# Altium PCB RPlan_LB1.PcbDoc (continued)
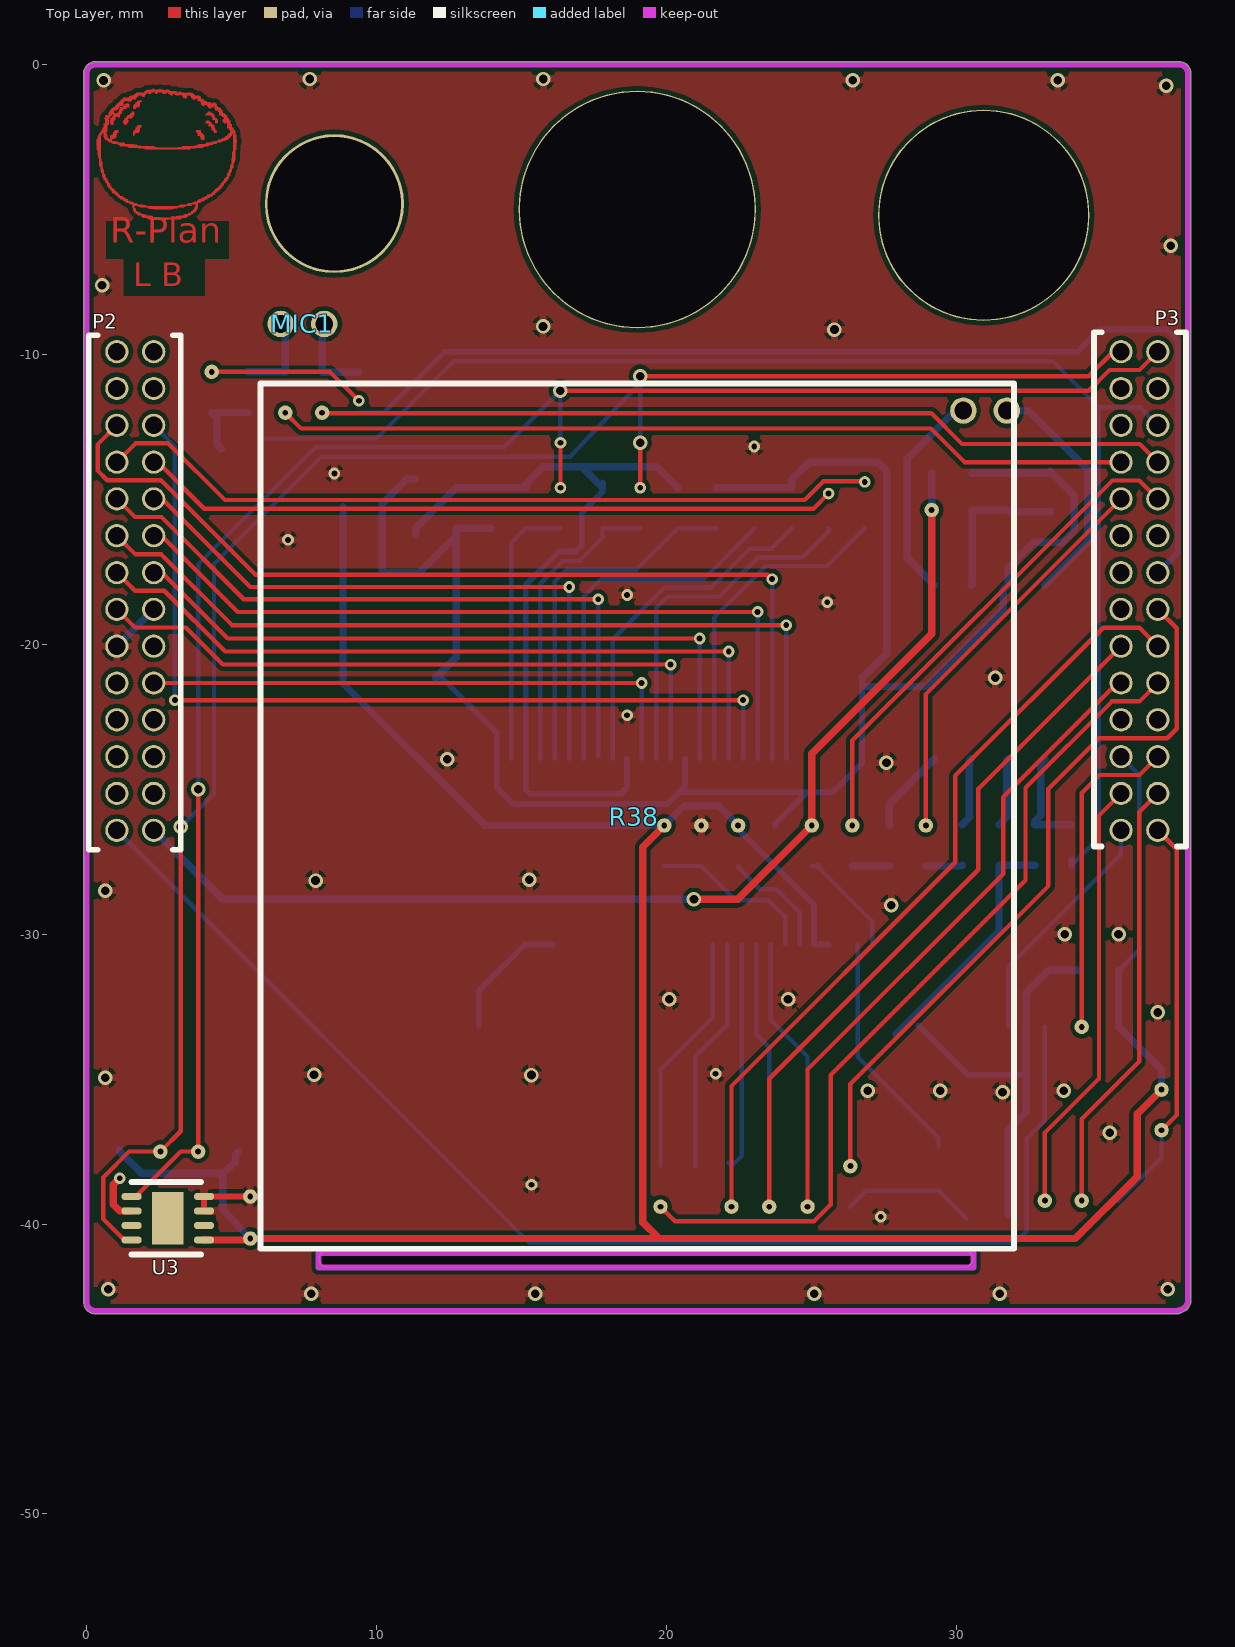
[diagram p0: Top Layer view]
## Nets (pads, with @x,y where several pads share a name; then routed paths per layer and width w, separated by ;. In a path a pad name is that pad's centre, name@x,y a point inside that pad or via, vN(x,y) a via of type N, cw(c..) or ccw(c..) an arc to the next point about the centre after c; other vN are vias at no path point) (continued)
  Top Layer w0.15: pad.73 22.25,-35.238 29.972,-27.516 29.972,-24.53 35.071,-19.431 36.322,-19.431 P3.11
P5: P3.9 pad.74 R17.1 | length 29.5
  Top Layer w0.15: pad.74 20.3,-39.9 25.1,-39.9 25.671,-39.329 25.671,-34.861 32.391,-28.141 32.391,-24.952 35.372,-21.971 36.322,-21.971 P3.9
P6: P3.13 pad.132 R23.2 | length 25.5
  Top Layer w0.15: pad.132 26.35,-35.167 33.182,-28.335 33.182,-24.984 34.925,-23.241 37.28,-23.241 37.609,-22.912 37.609,-19.448 P3.13
P7: P3.14
P10: P3.25
P11: P3.26
P12: P2.3
P13: P2.4
P14: P2.23
P15: P2.25
P16: P2.24
P17: P2.22
P18: P2.26
P19: P2.21
P20: P3.5 pad.65 U2.7 | length 11.2
  Top Layer w0.15: pad.65 34.332,-25.128 34.949,-24.511 36.322,-24.511 P3.5
P21: P3.4 pad.69 U2.3 | length 15.1
  Top Layer w0.15: pad.69 33.062,-36.846 34.925,-34.982 34.925,-25.908 P3.4
P22: P3.3 pad.68 U2.2 | length 15.1
  Top Layer w0.15: pad.68 34.332,-36.38 36.319,-34.392 36.319,-25.784 P3.3
P23: P3.2 U2.5 | length 8.4
  Bottom Layer w0.15: U2.5 31.792,-31.142 35.687,-27.247 P3.2
P24: P2.27 U2.6 | length 44.8
  Bottom Layer w0.15: P2.27 15.281,-40.65 32.026,-40.65 32.434,-40.243 32.434,-37.046 33.062,-36.418 33.062,-35.542 33.059,-35.539 33.059,-33.201 U2.6
P25: P2.2
P26: P3.1 pad.70 R2.2 U2.1 | length 13.9
  Top Layer w0.15: P3.1 37.609,-27.068 37.609,-36.236 pad.70
  Bottom Layer w0.15: U2.1 37.084,-37.71 pad.70
P27: P2.8 pad.126 R21.1 | length 24.2
  Top Layer w0.15: P2.8 2.455,-13.716 4.064,-15.325 25.075,-15.325 pad.126
P28: P2.1
P29: P2.7 pad.127 R22.2 | length 27.2
  Top Layer w0.15: P2.7 1.692,-13.071 2.821,-13.071 4.775,-15.025 24.774,-15.025 25.424,-14.375 26.825,-14.375 pad.127
P30: P2.9 U4.16 | length 23.4
  Top Layer w0.15: P2.9 1.672,-15.611 2.588,-15.611 5.427,-18.45 v2(17.65,-18.45)
  Bottom Layer w0.15: U4.16@17.65,-23.85 v2(17.65,-18.45)
P31: P2.10 U4.18 | length 21.5
  Top Layer w0.15: P2.10 2.61,-14.986 5.649,-18.025 v2(16.65,-18.025)
  Bottom Layer w0.15: U4.18 v2(16.65,-18.025)
P32: P2.6 U4.6 | length 31.7
  Top Layer w0.15: v2(3.05,-21.927) v2(22.65,-21.927)
  Bottom Layer w0.15: P2.6@2.577,-12.446 P2.6 3.05,-13.179 v2(3.05,-21.927) ; U4.6@22.63,-23.93 U4.6 v2(22.65,-21.927)
P33: P2.5 U4.4 | length 32.9
  Top Layer w0.15: P2.5 0.382,-13.111 0.382,-14.007 0.716,-14.341 2.569,-14.341 5.828,-17.6 23.5,-17.6 v2(23.65,-17.75)
  Bottom Layer w0.15: U4.4 v2(23.65,-17.75)
P34: P2.11 U4.3 | length 29
  Top Layer w0.15: P2.11 1.691,-16.9 2.582,-16.9 5.02,-19.339 v2(24.139,-19.339)
  Bottom Layer w0.15: v2(24.139,-19.339) 24.139,-23.939 U4.3
P35: P2.12 U4.5 | length 27
  Top Layer w0.15: P2.12 2.587,-16.256 5.215,-18.884 v2(23.15,-18.884)
  Bottom Layer w0.15: U4.5 v2(23.15,-18.884)
P36: P2.13 U4.7 | length 25.9
  Top Layer w0.15: P2.13 1.672,-18.151 2.684,-18.151 4.783,-20.25 v2(22.154,-20.25)
  Bottom Layer w0.15: U4.7 22.15,-20.254 v2(22.154,-20.25)
P37: P2.14 U4.9 | length 24.1
  Top Layer w0.15: P2.14 2.597,-17.526 4.871,-19.8 v2(21.15,-19.8)
  Bottom Layer w0.15: P2.14 P2.14@2.515,-17.526 ; U4.9 v2(21.15,-19.8)
P38: P2.15 U4.11 | length 23.1
  Top Layer w0.15: P2.15 1.672,-19.421 3.42,-19.421 4.699,-20.7 v2(20.15,-20.7)
  Bottom Layer w0.15: U4.11 v2(20.15,-20.7)
P39: P2.20 U4.13 | length 19.4
  Top Layer w0.15: P2.20 v2(19.15,-21.336)
  Bottom Layer w0.15: U4.13 v2(19.15,-21.336)
PCLK: R22.1 U4.8 | length 11.3
  Bottom Layer w0.15: U4.8 21.65,-19.08 23.43,-17.3 25.55,-17.3 R22.1
SCL: R25.1 R30.2 U4.20 | length 10.5
  Bottom Layer w0.15: U4.20 15.65,-17.91 16.435,-17.125 17.007,-17.125 17.8,-16.332 R25.1 R30.2
SDA: R27.1 R29.2 U4.22 | length 9.4
  Bottom Layer w0.15: U4.22 14.65,-16.5 R27.1 R29.2
SPK_VDD: C11.1 C12.2 L1.2 U6.6 | length 5.3
  Bottom Layer w0.254: U6.6 30.554,-17.921 L1.2 31.785,-15.367 C11.1 C12.2
USBN: 
USBP: 
V1.8: C14.2 U4.15 | length 11.9
  Bottom Layer w0.15: U4.15 18.15,-19.826 19.926,-18.05 21.541,-18.05 22.891,-16.7 23.633,-16.7 C14.2
V2.8: C13.1 C19.1 IC2.2 R19.2 R25.2 R27.2 U4.14 U4.21 | length 28.1
  Bottom Layer w0.2: R25.2 17.8,-14.741 17.082,-15.459 17.082,-16.59 16.872,-16.8 16.3,-16.8 15.15,-17.95 U4.21 15.15,-25.005 15.3,-25.155 18.427,-25.155 18.65,-24.932 U4.14
  Bottom Layer w0.254: IC2.2 11.35,-16 C19.1 C13.1 R27.2 15.15,-14.482 15.75,-13.882 17.082,-13.882 ; R25.2@17.8,-14.435 R25.2 17.082,-13.882 ; R19.2 19.682,-13.882 17.082,-13.882
VBAT: P2.18
VCOM: P3.18
VDD: C3.2 C5.1 C17.1 C21.1 IC2.3 P3.6 pad.76 pad.77 pad.79 pad.105 R2.1 R9.2 R10.2 R16.2 R31.1 U2.8 U3.5 U5.4 U5.5 | length 99.4
  Top Layer w0.254: U3.5@4.05,-40.55 5.55,-40.55 pad.105 19.758,-40.5 ; pad.77 19.19,-26.994 19.19,-39.932 19.758,-40.5 ; pad.79 36.244,-36.201 36.244,-38.364 34.108,-40.5 19.758,-40.5
  Bottom Layer w0.15: C3.2@35.602,-31.265 C3.2 36.319,-30.548 36.319,-24.508 P3.6
  Bottom Layer w0.2: pad.76 22.479,-26.381 C17.1 25.1,-29.002 U5.5 U5.4
  Bottom Layer w0.254: R10.2@1.15,-37.45 R10.2 1.9,-38.25 4.7,-38.25 ; R9.2 5.138,-37.613 5.138,-37.863 4.7,-38.25 ; pad.105 4.7,-39.5 4.7,-38.25 ; IC2.3 8.85,-21.351 13.75,-26.251 pad.77 20.61,-25.574 21.802,-25.574 pad.76 ; C3.2@35.602,-31.265 U2.8 37.084,-34.68 pad.79
VDDRAM: 
VIO: P3.8
VO_N: J_SPK1.2 U6.5 | length 7.5
  Bottom Layer w0.254: U6.5 28.309,-17.019 28.309,-13.601 30.099,-11.811 J_SPK1.2@30.35,-11.811
VO_P: J_SPK1.1 U6.8 | length 8.2
  Bottom Layer w0.254: J_SPK1.1@31.85,-11.811 31.977,-11.938 32.487,-11.938 34.534,-13.985 34.534,-16.481 U6.8
VPWR: C10.1 L1.1 P2.28 pad.88 pad.89 R15.2 | length 38.6
  Top Layer w0.254: v1(20.955,-28.8) 22.47,-28.8 pad.89 25.019,-23.774 29.154,-19.639 pad.88
  Bottom Layer w0.254: P2.28 4.701,-28.8 v1(20.955,-28.8) ; pad.88 C10.1
VUSB: P2.19
pads on no net: R18.1 U3.3 U3.6 U3.9 U4.1 U4.2 U4.24 U5.13 U5.14 U5.15 U5.16 U5.17 U5.18 U5.19 U5.20 U5.21 U5.22
copper on no net: | length 103.5
  Top Layer w0.025: 0.36,-2.926 0.487,-2.926 ; 0.36,-2.901 0.487,-2.901 ; 0.36,-2.875 0.487,-2.875 ; 0.36,-2.825 0.487,-2.825 ; 0.36,-2.799 0.487,-2.799 ; 0.36,-2.774 0.487,-2.774 ; 0.36,-2.748 0.487,-2.748 ; 0.36,-2.723 0.487,-2.723 ; 0.36,-2.698 0.487,-2.698 ; 0.36,-2.672 0.487,-2.672 ; 0.36,-2.647 0.487,-2.647 ; 0.36,-2.621 0.487,-2.621 ; 0.36,-2.596 0.487,-2.596 ; 0.36,-2.571 0.487,-2.571 ; 0.385,-3.104 0.487,-3.104 ; 0.385,-3.079 0.487,-3.079 ; 0.385,-3.053 0.487,-3.053 ; 0.385,-3.028 0.487,-3.028 ; 0.385,-3.002 0.487,-3.002 ; 0.385,-2.977 0.487,-2.977 ; 0.385,-2.952 0.487,-2.952 ; 0.385,-2.85 0.487,-2.85 ; 0.385,-2.545 0.487,-2.545 ; 0.385,-2.52 0.487,-2.52 ; 0.385,-2.494 0.487,-2.494 ; 0.41,-3.206 0.487,-3.206 ; 0.41,-3.18 0.487,-3.18 ; 0.41,-3.155 0.487,-3.155 ; 0.41,-3.129 0.487,-3.129 ; 0.41,-2.469 0.487,-2.469 ; 0.41,-2.444 0.512,-2.444 ; 0.436,-3.46 0.537,-3.46 ; 0.436,-3.434 0.537,-3.434 ; 0.436,-3.409 0.537,-3.409 ; 0.436,-3.383 0.537,-3.383 ; 0.436,-3.358 0.537,-3.358 ; 0.436,-3.333 0.512,-3.333 ; 0.436,-3.307 0.512,-3.307 ; 0.436,-3.282 0.512,-3.282 ; 0.436,-3.256 0.512,-3.256 ; 0.436,-3.231 0.487,-3.231 ; 0.436,-2.418 0.512,-2.418 ; 0.436,-2.393 0.537,-2.393 ; 0.436,-2.367 0.537,-2.367 ; 0.461,-3.51 0.537,-3.51 ; 0.461,-3.485 0.537,-3.485 ; 0.487,-3.688 0.588,-3.688 ; 0.487,-3.663 0.588,-3.663 ; 0.487,-3.637 0.588,-3.637 ; 0.487,-3.612 0.563,-3.612 ; 0.487,-3.587 0.563,-3.587 ; 0.487,-3.561 0.563,-3.561 ; 0.487,-3.536 0.537,-3.536 ; 0.487,-2.342 0.664,-2.342 ; 0.487,-2.317 0.69,-2.317 ; 0.512,-3.714 0.588,-3.714 ; 0.512,-2.291 0.715,-2.291 ; 0.537,-3.841 0.639,-3.841 ; 0.537,-3.815 0.639,-3.815 ; 0.537,-3.79 0.639,-3.79 ; 0.537,-3.764 0.614,-3.764 ; 0.537,-3.739 0.588,-3.739 ; 0.537,-2.266 0.715,-2.266 ; 0.537,-2.24 0.715,-2.24 ; 0.563,-3.891 0.664,-3.891 ; 0.563,-3.866 0.639,-3.866 ; 0.563,-2.215 0.715,-2.215 ; 0.563,-2.19 0.715,-2.19 ; 0.588,-3.968 0.715,-3.968 ; 0.588,-3.942 0.715,-3.942 ; 0.588,-3.917 0.69,-3.917 ; 0.588,-2.469 0.715,-2.469 ; 0.588,-2.444 0.715,-2.444 ; 0.588,-2.418 0.69,-2.418 ; 0.588,-2.393 0.69,-2.393 ; 0.588,-2.367 0.664,-2.367 ; 0.588,-2.164 0.715,-2.164 ; 0.588,-2.139 0.715,-2.139 ; 0.588,-2.113 0.715,-2.113 ; 0.588,-2.088 0.715,-2.088 ; 0.588,-2.063 0.766,-2.063 ; 0.588,-2.037 0.766,-2.037 ; 0.614,-2.52 0.741,-2.52 ; 0.614,-2.494 0.715,-2.494 ; 0.614,-1.859 0.766,-1.859 ; 0.639,-4.044 0.766,-4.044 ; 0.639,-4.018 0.741,-4.018 ; 0.639,-3.993 0.741,-3.993 ; 0.639,-2.571 0.893,-2.571 ; 0.639,-2.545 0.766,-2.545 ; 0.639,-2.012 0.766,-2.012 ; 0.639,-1.986 0.766,-1.986 ; 0.639,-1.961 0.766,-1.961 ; 0.639,-1.936 0.766,-1.936 ; 0.639,-1.91 0.766,-1.91 ; 0.639,-1.885 0.741,-1.885 ; 0.639,-1.834 0.791,-1.834 ; 0.639,-1.809 0.817,-1.809 ; 0.639,-1.783 0.817,-1.783 ; 0.664,-4.069 0.766,-4.069 ; 0.664,-1.758 0.842,-1.758 ; 0.69,-4.095 0.791,-4.095 ; 0.69,-2.596 0.868,-2.596 ; 0.715,-4.171 0.817,-4.171 ; 0.715,-4.145 0.817,-4.145 ; 0.715,-4.12 0.817,-4.12 ; 0.715,-2.621 0.868,-2.621 ; 0.741,-4.196 0.817,-4.196 ; 0.766,-4.247 0.868,-4.247 ; 0.766,-4.222 0.868,-4.222 ; 0.766,-2.647 0.995,-2.647 ; 0.766,-1.732 0.868,-1.732 ; 0.766,-1.707 1.172,-1.707 ; 0.766,-1.682 0.969,-1.682 ; 0.766,-1.656 0.944,-1.656 ; 0.791,-2.672 1.071,-2.672 ; 0.791,-1.631 0.944,-1.631 ; 0.817,-4.298 0.944,-4.298 ; 0.817,-4.272 0.918,-4.272 ; 0.817,-2.545 0.918,-2.545 ; 0.817,-2.52 0.995,-2.52 ; 0.817,-2.494 1.02,-2.494 ; 0.817,-2.469 1.02,-2.469 ; 0.817,-2.012 0.918,-2.012 ; 0.817,-1.986 0.918,-1.986 ; 0.817,-1.961 0.918,-1.961 ; 0.817,-1.936 0.944,-1.936 ; 0.817,-1.91 0.969,-1.91 ; 0.817,-1.605 0.944,-1.605 ; 0.817,-1.58 0.944,-1.58 ; 0.842,-4.323 0.969,-4.323 ; 0.842,-2.444 1.02,-2.444 ; 0.842,-2.037 0.918,-2.037 ; 0.842,-1.885 0.995,-1.885 ; 0.842,-1.859 0.995,-1.859 ; 0.842,-1.555 1.045,-1.555 ; 0.868,-4.349 0.995,-4.349 ; 0.868,-2.698 1.299,-2.698 ; 0.868,-2.418 1.02,-2.418 ; 0.868,-2.063 0.918,-2.063 ; 0.868,-1.834 0.995,-1.834 ; 0.868,-1.529 1.071,-1.529 ; 0.868,-1.504 1.096,-1.504 ; 0.893,-4.399 1.045,-4.399 ; 0.893,-4.374 1.02,-4.374 ; 0.893,-1.809 0.995,-1.809 ; 0.918,-4.425 1.071,-4.425 ; 0.918,-2.723 1.325,-2.723 ; 0.918,-2.393 1.045,-2.393 ; 0.918,-2.367 1.045,-2.367 ; 0.918,-2.342 1.096,-2.342 ; 0.918,-1.783 1.147,-1.783 ; 0.918,-1.758 1.147,-1.758 ; 0.918,-1.732 1.147,-1.732 ; 0.918,-1.478 1.096,-1.478 ; 0.944,-2.317 1.096,-2.317 ; 0.969,-4.45 1.096,-4.45 ; 0.969,-2.291 1.096,-2.291 ; 0.969,-1.453 1.122,-1.453 ; 0.995,-4.476 1.096,-4.476 ; 0.995,-2.266 1.096,-2.266 ; 0.995,-1.428 1.147,-1.428 ; 1.02,-4.501 1.147,-4.501 ; 1.02,-1.402 1.274,-1.402 ; 1.045,-4.526 1.147,-4.526 ; 1.045,-1.682 1.198,-1.682 ; 1.045,-1.377 1.274,-1.377 ; 1.045,-1.351 1.274,-1.351 ; 1.071,-2.748 1.604,-2.748 ; 1.071,-1.656 1.223,-1.656 ; 1.096,-4.577 1.274,-4.577 ; 1.096,-4.552 1.249,-4.552 ; 1.096,-1.809 1.147,-1.809 ; 1.096,-1.631 1.223,-1.631 ; 1.096,-1.326 1.274,-1.326 ; 1.122,-2.774 1.731,-2.774 ; 1.122,-1.605 1.223,-1.605 ; 1.122,-1.58 1.249,-1.58 ; 1.122,-1.301 1.274,-1.301 ; 1.147,-4.603 1.325,-4.603 ; 1.147,-1.555 1.274,-1.555 ; 1.147,-1.529 1.274,-1.529 ; 1.147,-1.504 1.376,-1.504 ; 1.147,-1.275 1.299,-1.275 ; 1.172,-4.628 1.35,-4.628 ; 1.172,-2.799 1.858,-2.799 ; 1.172,-1.478 1.376,-1.478 ; 1.172,-1.25 1.325,-1.25 ; 1.198,-1.224 1.553,-1.224 ; 1.223,-1.199 1.553,-1.199 ; 1.249,-4.653 1.426,-4.653 ; 1.249,-1.453 1.477,-1.453 ; 1.249,-1.174 1.706,-1.174 ; 1.274,-4.679 1.426,-4.679 ; 1.274,-2.012 1.401,-2.012 ; 1.274,-1.986 1.426,-1.986 ; 1.274,-1.961 1.426,-1.961 ; 1.274,-1.936 1.452,-1.936 ; 1.274,-1.428 1.477,-1.428 ; 1.274,-1.148 1.706,-1.148 ; 1.299,-4.704 1.477,-4.704 ; 1.299,-2.037 1.376,-2.037 ; 1.299,-1.91 1.426,-1.91 ; 1.325,-2.063 1.376,-2.063 ; 1.325,-1.885 1.426,-1.885 ; 1.325,-1.859 1.426,-1.859 ; 1.325,-1.402 1.477,-1.402 ; 1.325,-1.377 1.477,-1.377 ; 1.35,-4.73 1.579,-4.73 ; 1.376,-4.755 1.604,-4.755 ; 1.376,-1.834 1.553,-1.834 ; 1.376,-1.809 1.579,-1.809 ; 1.376,-1.351 1.452,-1.351 ; 1.401,-2.825 2.341,-2.825 ; 1.401,-1.783 1.604,-1.783 ; 1.426,-1.758 1.604,-1.758 ; 1.426,-1.25 1.528,-1.25 ; 1.452,-2.85 2.417,-2.85 ; 1.452,-1.275 1.477,-1.275 ; 1.477,-4.78 1.731,-4.78 ; 1.477,-1.732 1.63,-1.732 ; 1.477,-1.123 1.731,-1.123 ; 1.477,-1.097 1.757,-1.097 ; 1.503,-4.806 1.757,-4.806 ; 1.503,-1.707 1.655,-1.707 ; 1.528,-1.682 1.655,-1.682 ; 1.528,-1.072 1.782,-1.072 ; 1.553,-1.656 1.655,-1.656 ; 1.579,-4.907 1.655,-4.907 ; 1.579,-4.882 1.655,-4.882 ; 1.579,-4.831 1.96,-4.831 ; 1.579,-1.631 1.63,-1.631 ; 1.604,-5.034 1.706,-5.034 ; 1.604,-5.009 1.706,-5.009 ; 1.604,-4.984 1.706,-4.984 ; 1.604,-4.958 1.68,-4.958 ; 1.604,-4.933 1.655,-4.933 ; 1.604,-4.857 2.061,-4.857 ; 1.604,-2.444 1.655,-2.444 ; 1.604,-2.418 1.655,-2.418 ; 1.604,-2.393 1.655,-2.393 ; 1.604,-2.367 1.68,-2.367 ; 1.604,-2.342 1.807,-2.342 ; 1.604,-2.317 1.807,-2.317 ; 1.604,-1.504 1.706,-1.504 ; 1.604,-1.478 1.706,-1.478 ; 1.604,-1.453 1.807,-1.453 ; 1.604,-1.428 1.833,-1.428 ; 1.63,-2.291 1.833,-2.291 ; 1.63,-1.402 1.833,-1.402 ; 1.63,-1.047 2.011,-1.047 ; 1.655,-5.085 1.782,-5.085 ; 1.655,-5.06 1.757,-5.06 ; 1.655,-2.266 1.833,-2.266 ; 1.655,-1.377 1.833,-1.377 ; 1.655,-1.021 2.036,-1.021 ; 1.68,-2.24 1.833,-2.24 ; 1.68,-1.351 1.833,-1.351 ; 1.706,-5.136 1.884,-5.136 ; 1.706,-5.111 1.858,-5.111 ; 1.706,-2.215 1.833,-2.215 ; 1.706,-2.19 1.833,-2.19 ; 1.706,-2.164 1.858,-2.164 ; 1.706,-1.326 1.833,-1.326 ; 1.706,-1.301 1.858,-1.301 ; 1.706,-0.996 2.061,-0.996 ; 1.731,-2.139 1.884,-2.139 ; 1.731,-0.97 2.087,-0.97 ; 1.757,-5.161 1.985,-5.161 ; 1.757,-2.113 1.884,-2.113 ; 1.757,-1.275 1.909,-1.275 ; 1.782,-5.187 2.061,-5.187 ; 1.782,-2.875 3.763,-2.875 ; 1.782,-2.088 1.884,-2.088 ; 1.782,-1.25 1.909,-1.25 ; 1.807,-4.882 3.408,-4.882 ; 1.858,-4.907 3.357,-4.907 ; 1.884,-5.212 2.239,-5.212 ; 1.909,-5.238 2.29,-5.238 ; 1.909,-1.072 2.011,-1.072 ; 1.934,-5.263 2.442,-5.263 ; 1.934,-1.097 1.985,-1.097 ; 1.985,-0.945 2.29,-0.945 ; 2.011,-2.901 3.585,-2.901 ; 2.011,-0.92 3.103,-0.92 ; 2.061,-0.894 2.874,-0.894 ; 2.087,-5.288 3.306,-5.288 ; 2.087,-0.869 2.112,-0.869 ; 2.112,-4.933 3.128,-4.933 ; 2.112,-0.97 2.239,-0.97 ; 2.138,-5.314 3.255,-5.314 ; 2.138,-0.996 2.214,-0.996 ; 2.163,-4.958 3.027,-4.958 ; 2.188,-0.869 2.671,-0.869 ; 2.29,-0.843 2.315,-0.843 ; 2.315,-4.984 2.849,-4.984 ; 2.315,-0.945 2.519,-0.945 ; 2.366,-0.97 2.442,-0.97 ; 2.392,-0.996 2.442,-0.996 ; 2.519,-0.843 2.544,-0.843 ; 2.544,-0.945 3.128,-0.945 ; 2.595,-5.339 2.823,-5.339 ; 2.62,-0.97 2.773,-0.97 ; 2.646,-0.996 2.722,-0.996 ; 2.747,-0.869 2.823,-0.869 ; 2.823,-0.97 3.382,-0.97 ; 2.849,-0.996 3.662,-0.996 ; 2.874,-4.984 2.925,-4.984 ; 2.874,-1.021 2.976,-1.021 ; 2.9,-1.047 2.95,-1.047 ; 2.976,-5.263 3.433,-5.263 ; 3.052,-1.021 3.712,-1.021 ; 3.077,-5.238 3.484,-5.238 ; 3.103,-1.047 3.204,-1.047 ; 3.154,-2.85 4.017,-2.85 ; 3.179,-5.212 3.509,-5.212 ; 3.179,-4.857 3.611,-4.857 ; 3.204,-0.945 3.255,-0.945 ; 3.255,-4.831 3.636,-4.831 ; 3.281,-1.047 3.738,-1.047 ; 3.306,-2.825 4.068,-2.825 ; 3.306,-1.072 3.484,-1.072 ; 3.331,-1.123 3.458,-1.123 ; 3.331,-1.097 3.458,-1.097 ; 3.357,-5.187 3.585,-5.187 ; 3.382,-5.161 3.611,-5.161 ; 3.382,-1.148 3.433,-1.148 ; 3.458,-0.97 3.611,-0.97 ; 3.484,-4.806 3.839,-4.806 ; 3.509,-5.136 3.662,-5.136 ; 3.509,-4.78 3.839,-4.78 ; 3.535,-5.111 3.687,-5.111 ; 3.585,-1.072 3.89,-1.072 ; 3.611,-5.085 3.738,-5.085 ; 3.611,-5.06 3.763,-5.06 ; 3.611,-1.123 3.941,-1.123 ; 3.611,-1.097 3.916,-1.097 ; 3.636,-1.148 3.941,-1.148 ; 3.662,-5.034 3.789,-5.034 ; 3.662,-4.755 3.916,-4.755 ; 3.662,-1.174 3.763,-1.174 ; 3.687,-5.009 3.789,-5.009 ; 3.712,-4.984 3.814,-4.984 ; 3.712,-4.73 3.941,-4.73 ; 3.712,-2.799 4.195,-2.799 ; 3.738,-4.958 3.814,-4.958 ; 3.738,-4.933 3.839,-4.933 ; 3.738,-4.907 3.839,-4.907 ; 3.763,-4.882 3.839,-4.882 ; 3.763,-4.857 3.839,-4.857 ; 3.763,-4.831 3.839,-4.831 ; 3.789,-2.317 3.941,-2.317 ; 3.789,-2.291 3.941,-2.291 ; 3.789,-2.266 3.916,-2.266 ; 3.814,-4.704 4.043,-4.704 ; 3.814,-2.774 4.271,-2.774 ; 3.814,-2.342 3.966,-2.342 ; 3.839,-4.679 4.068,-4.679 ; 3.839,-2.444 4.068,-2.444 ; 3.839,-2.418 4.043,-2.418 ; 3.839,-2.393 4.017,-2.393 ; 3.839,-2.367 3.992,-2.367 ; 3.839,-1.224 4.068,-1.224 ; 3.839,-1.199 4.043,-1.199 ; 3.839,-1.174 3.966,-1.174 ; 3.865,-4.653 4.093,-4.653 ; 3.89,-2.748 4.347,-2.748 ; 3.89,-1.25 4.068,-1.25 ; 3.916,-2.469 4.068,-2.469 ; 3.941,-4.628 4.17,-4.628 ; 3.941,-2.545 4.068,-2.545 ; 3.941,-2.52 4.068,-2.52 ; 3.941,-2.494 4.068,-2.494 ; 3.941,-1.301 4.246,-1.301 ; 3.941,-1.275 4.144,-1.275 ; 3.966,-2.571 4.068,-2.571 ; 3.966,-1.377 4.093,-1.377 ; 3.966,-1.351 4.474,-1.351 ; 3.966,-1.326 4.297,-1.326 ; 3.992,-4.603 4.17,-4.603 ; 3.992,-1.402 4.068,-1.402 ; 4.068,-4.577 4.246,-4.577 ; 4.093,-4.552 4.271,-4.552 ; 4.119,-2.723 4.474,-2.723 ; 4.119,-2.012 4.297,-2.012 ; 4.119,-1.986 4.297,-1.986 ; 4.119,-1.961 4.246,-1.961 ; 4.119,-1.732 4.398,-1.732 ; 4.119,-1.707 4.373,-1.707 ; 4.119,-1.377 4.5,-1.377 ; 4.144,-2.698 4.5,-2.698 ; 4.144,-1.936 4.22,-1.936 ; 4.17,-4.526 4.347,-4.526 ; 4.17,-4.501 4.347,-4.501 ; 4.17,-1.682 4.347,-1.682 ; 4.17,-1.656 4.322,-1.656 ; 4.17,-1.428 4.5,-1.428 ; 4.17,-1.402 4.5,-1.402 ; 4.195,-1.631 4.271,-1.631 ; 4.195,-1.453 4.347,-1.453 ; 4.22,-2.113 4.398,-2.113 ; 4.22,-2.088 4.398,-2.088 ; 4.22,-2.063 4.347,-2.063 ; 4.22,-2.037 4.322,-2.037 ; 4.22,-1.478 4.297,-1.478 ; 4.246,-4.476 4.398,-4.476 ; 4.246,-1.504 4.271,-1.504 ; 4.297,-4.45 4.424,-4.45 ; 4.297,-2.19 4.424,-2.19 ; 4.297,-2.164 4.398,-2.164 ; 4.297,-2.139 4.398,-2.139 ; 4.297,-1.758 4.398,-1.758 ; 4.322,-4.425 4.449,-4.425 ; 4.322,-2.672 4.627,-2.672 ; 4.322,-2.24 4.449,-2.24 ; 4.322,-2.215 4.449,-2.215 ; 4.322,-1.809 4.424,-1.809 ; 4.322,-1.783 4.398,-1.783 ; 4.347,-4.399 4.474,-4.399 ; 4.347,-2.266 4.474,-2.266 ; 4.347,-1.885 4.5,-1.885 ; 4.347,-1.859 4.5,-1.859 ; 4.347,-1.834 4.449,-1.834 ; 4.347,-1.326 4.449,-1.326 ; 4.373,-4.374 4.5,-4.374 ; 4.373,-2.291 4.474,-2.291 ; 4.398,-4.349 4.551,-4.349 ; 4.398,-2.647 4.678,-2.647 ; 4.398,-2.342 4.474,-2.342 ; 4.398,-2.317 4.5,-2.317 ; 4.398,-1.453 4.525,-1.453 ; 4.424,-4.323 4.576,-4.323 ; 4.424,-1.91 4.525,-1.91 ; 4.424,-1.504 4.627,-1.504 ; 4.424,-1.478 4.576,-1.478 ; 4.449,-4.298 4.601,-4.298 ; 4.449,-2.012 4.5,-2.012 ; 4.449,-1.986 4.525,-1.986 ; 4.449,-1.961 4.525,-1.961 ; 4.449,-1.936 4.525,-1.936 ; 4.449,-1.555 4.652,-1.555 ; 4.449,-1.529 4.627,-1.529 ; 4.474,-4.272 4.627,-4.272 ; 4.525,-4.247 4.652,-4.247 ; 4.525,-2.621 4.779,-2.621 ; 4.525,-1.58 4.678,-1.58 ; 4.551,-4.222 4.678,-4.222 ; 4.551,-2.596 4.805,-2.596 ; 4.551,-1.605 4.678,-1.605 ; 4.576,-4.196 4.678,-4.196 ; 4.576,-1.732 4.805,-1.732 ; 4.576,-1.707 4.779,-1.707 ; 4.576,-1.682 4.728,-1.682 ; 4.576,-1.656 4.703,-1.656 ; 4.576,-1.631 4.703,-1.631 ; 4.601,-4.171 4.703,-4.171 ; 4.627,-4.145 4.728,-4.145 ; 4.627,-4.12 4.728,-4.12 ; 4.652,-4.095 4.754,-4.095 ; 4.652,-2.571 4.881,-2.571 ; 4.652,-1.758 4.83,-1.758 ; 4.678,-4.069 4.779,-4.069 ; 4.678,-4.044 4.805,-4.044 ; 4.678,-2.545 4.906,-2.545 ; 4.678,-1.783 4.855,-1.783 ; 4.703,-1.961 4.957,-1.961 ; 4.703,-1.936 4.957,-1.936 ; 4.703,-1.91 4.932,-1.91 ; 4.728,-4.018 4.83,-4.018 ; 4.728,-3.993 4.855,-3.993 ; 4.728,-1.986 4.957,-1.986 ; 4.728,-1.885 4.906,-1.885 ; 4.728,-1.859 4.906,-1.859 ; 4.728,-1.834 4.855,-1.834 ; 4.728,-1.809 4.855,-1.809 ; 4.754,-3.968 4.855,-3.968 ; 4.754,-3.942 4.855,-3.942 ; 4.754,-2.52 4.932,-2.52 ; 4.754,-2.012 4.779,-2.012 ; 4.779,-3.917 4.906,-3.917 ; 4.779,-2.494 4.957,-2.494 ; 4.805,-3.891 4.906,-3.891 ; 4.805,-2.469 4.982,-2.469 ; 4.83,-3.866 4.906,-3.866 ; 4.83,-2.012 4.957,-2.012 ; 4.855,-3.841 4.932,-3.841 ; 4.855,-3.815 4.957,-3.815 ; 4.855,-3.79 4.957,-3.79 ; 4.855,-3.764 4.957,-3.764 ; 4.855,-2.444 5.008,-2.444 ; 4.855,-2.164 5.033,-2.164 ; 4.855,-2.139 5.008,-2.139 ; 4.855,-2.113 5.008,-2.113 ; 4.855,-2.088 5.008,-2.088 ; 4.855,-2.037 4.982,-2.037 ; 4.881,-3.739 4.957,-3.739 ; 4.881,-2.418 5.008,-2.418 ; 4.881,-2.19 5.059,-2.19 ; 4.881,-2.063 5.008,-2.063 ; 4.906,-3.714 4.982,-3.714 ; 4.906,-3.688 5.008,-3.688 ; 4.906,-3.663 5.008,-3.663 ; 4.906,-2.393 5.008,-2.393 ; 4.906,-2.367 5.135,-2.367 ; 4.906,-2.215 5.059,-2.215 ; 4.932,-3.637 5.008,-3.637 ; 4.932,-3.612 5.008,-3.612 ; 4.932,-2.24 5.084,-2.24 ; 4.957,-3.587 5.033,-3.587 ; 4.957,-3.561 5.033,-3.561 ; 4.957,-3.536 5.059,-3.536 ; 4.957,-3.51 5.059,-3.51 ; 4.957,-3.485 5.059,-3.485 ; 4.957,-2.342 5.135,-2.342 ; 4.957,-2.317 5.135,-2.317 ; 4.957,-2.291 5.135,-2.291 ; 4.957,-2.266 5.109,-2.266 ; 4.982,-3.46 5.059,-3.46 ; 4.982,-3.434 5.059,-3.434 ; 5.008,-3.409 5.084,-3.409 ; 5.008,-3.383 5.084,-3.383 ; 5.008,-3.358 5.109,-3.358 ; 5.008,-3.333 5.109,-3.333 ; 5.008,-3.307 5.109,-3.307 ; 5.008,-3.282 5.135,-3.282 ; 5.008,-3.256 5.135,-3.256 ; 5.008,-3.231 5.135,-3.231 ; 5.033,-3.206 5.135,-3.206 ; 5.033,-3.18 5.135,-3.18 ; 5.033,-3.155 5.135,-3.155 ; 5.033,-3.129 5.135,-3.129 ; 5.033,-3.104 5.135,-3.104 ; 5.033,-3.079 5.135,-3.079 ; 5.033,-3.053 5.135,-3.053 ; 5.033,-3.028 5.135,-3.028 ; 5.033,-3.002 5.135,-3.002 ; 5.059,-2.977 5.135,-2.977 ; 5.059,-2.952 5.135,-2.952 ; 5.059,-2.926 5.16,-2.926 ; 5.059,-2.901 5.16,-2.901 ; 5.059,-2.875 5.16,-2.875 ; 5.059,-2.85 5.16,-2.85 ; 5.059,-2.825 5.16,-2.825 ; 5.059,-2.799 5.16,-2.799 ; 5.059,-2.774 5.16,-2.774 ; 5.059,-2.748 5.16,-2.748 ; 5.059,-2.723 5.16,-2.723 ; 5.059,-2.698 5.186,-2.698 ; 5.059,-2.672 5.186,-2.672 ; 5.059,-2.647 5.186,-2.647 ; 5.059,-2.621 5.186,-2.621 ; 5.059,-2.596 5.186,-2.596 ; 5.059,-2.571 5.16,-2.571 ; 5.059,-2.545 5.16,-2.545 ; 5.059,-2.52 5.16,-2.52 ; 5.059,-2.494 5.16,-2.494 ; 5.059,-2.469 5.16,-2.469 ; 5.059,-2.444 5.16,-2.444 ; 5.059,-2.418 5.16,-2.418 ; 5.059,-2.393 5.135,-2.393

## Polygon pours and split planes (outlines as drawn)
GND on Bottom Layer "Bottom Layer-No Net" (solid, remove dead copper, pour order 52): -0.018,0.05 -0.018,-42.918 -0.05,-42.95 0,-43 38,-43 38,0 37.95,0.05
GND on Bottom Layer "Bottom Layer-GND 1" (solid, pour order 30): 38,0
GND on Top Layer "Bottom Layer-No Net" (solid, remove dead copper, pour order 54): -0.018,0.05 -0.05,0.018 -0.05,-43 38.05,-43 38.022,-42.972 38.022,0.05
GND on Top Layer "Top Layer-GND" (solid, pour order 8): 43.5,3.5

## Keep-outs
Keep-Out Layer:
  lines w0.2: 37.649,-43 0.322,-43 cw(c0.322,-42.678) 0,-42.678 0,-0.322 cw(c0.322,-0.322) 0.322,0 37.678,0 cw(c37.678,-0.322) 38,-0.322 38,-42.619 cw(c37.649,-42.619) 37.649,-42.971 ; 8,-41.5 30.6,-41.5 30.6,-41 8,-41 8,-41.5

## Other copper
Top Layer:
  text "R-Plan" at 0.814,-6.45 h1.5
  text "L B" at 1.609,-7.65 h0.8

## Silkscreen, mask and mechanical layers (free items; w line width, h text height)
Top Overlay:
  lines w0.2: 6,-40.85 32,-40.85 32,-11 6,-11 6,-40.85
Top Solder:
  drawing of 560 lines, arcs and shapes, not listed
  text "R-Plan" at 0.814,-6.45 h1.5
  text "L B" at 1.609,-7.65 h0.8
Mechanical 1:
  lines w0.2: 8,-41.5 8,-41 30.6,-41 30.6,-41.5 8,-41.5

## Text inside footprints (layer, text, board x,y; h text height)
J_SPK1: Mechanical 1 "-" at 29.984,-10.803 h0.5 r180; Mechanical 1 "+" at 31.508,-10.803 h0.5 r180
MIC1: Mechanical 1 "-" at 8.466,-7.815 h0.5 r180; Mechanical 1 "+" at 6.942,-7.815 h0.5 r180